# Allegro board FEE5_10_30.brd (continued)
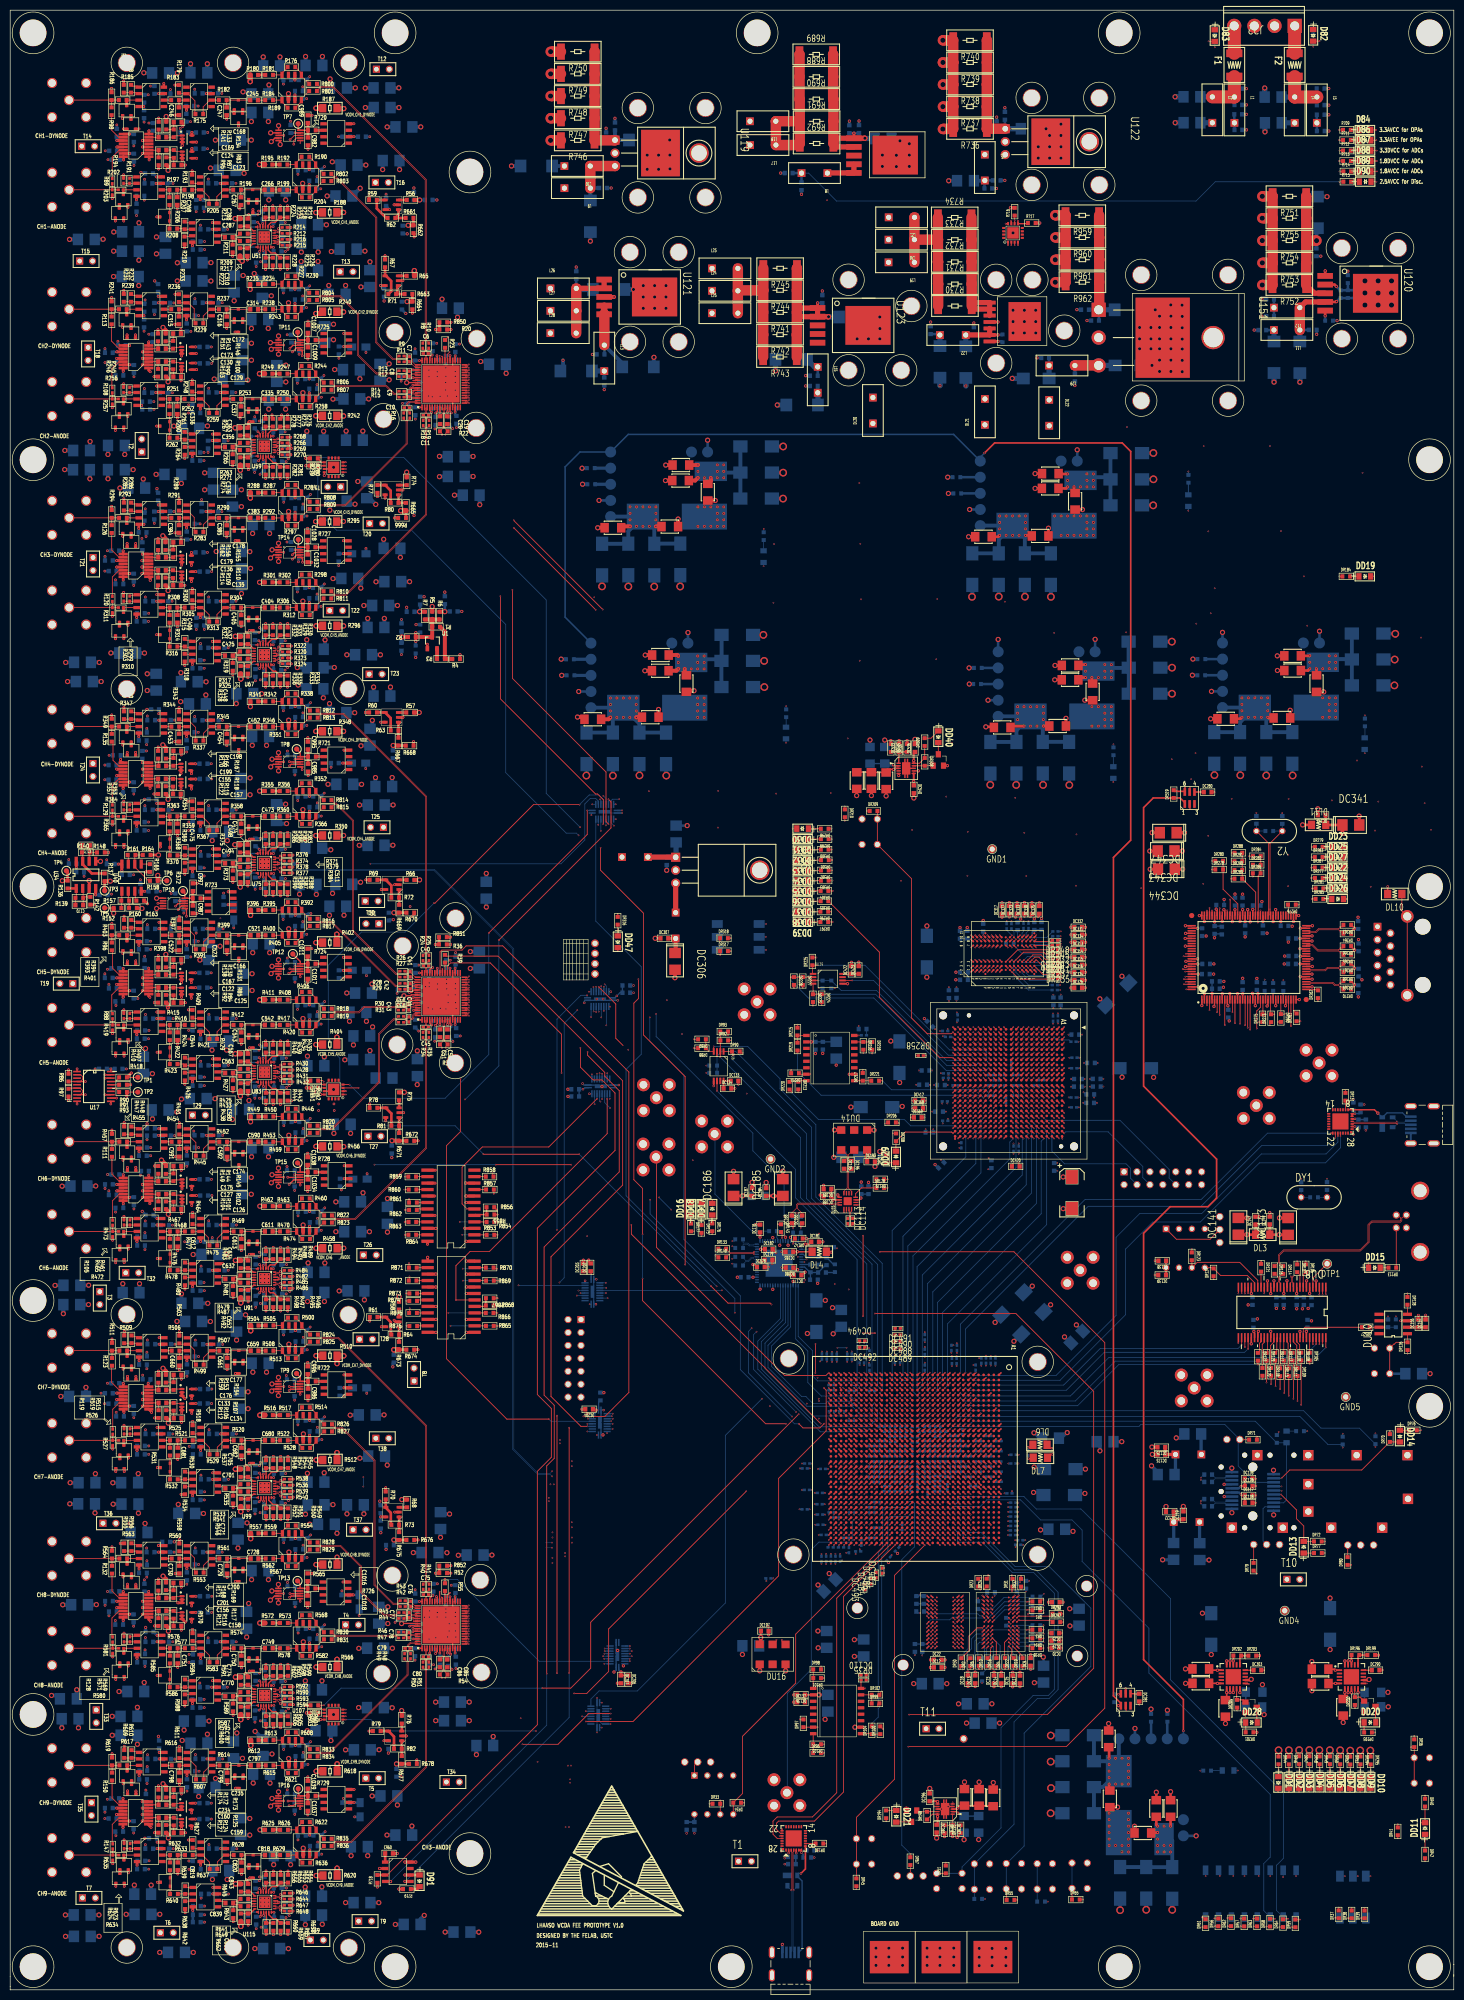
[diagram p0: board, top side]
## Nets (continued)
N2426133: DU4.T33(IO_L21P_T3_DQS_15)
N2426139: DU4.R33(IO_L21N_T3_DQS_A18_15)
N2426145: DU4.N34(IO_L22P_T3_A17_15)
N2426151: DU4.M34(IO_L22N_T3_A16_15)
N2426157: DU4.U34(IO_L23P_T3_FOE_B_15)
N2426814: DR216.1 DR218.1 DU38.15(DQ0)
N2426884: DR217.1 DR221.1 DU38.9(DQ2_VPP_WP_B)
N2426918: DR215.1 DR219.2 DU38.1(DQ3_HOLD_B)
N2426948: DR213.1 DR220.2 DU38.8(DQ1)
N2427808: DC308.1 DR212.1
N2429788: DU37.U16(IO_L4P_2 _U16)
N2429792: DU37.V15(IO_L4N_VREF_2 _V15)
N2429796: DU37.W17(IO_L5P_2 _W17)
N2429800: DU37.Y18(IO_L5N_2 _Y18)
N2429804: DU37.AA14(IO_L6P_2 _AA14)
N2429816: DU37.V17(IO_L2P_CMPCLK_2 _V17)
N2429820: DU37.W18(IO_L2N_CMPMOSI_2 _W18)
N2429824: DU37.AB19(IO_L13N_D10_2 _AB19)
N2429828: DU37.AA18(IO_L14P_D11_2 _AA18)
N2429832: DU37.AB18(IO_L14N_D12_2 _AB18)
N2429836: DU37.Y17(IO_L15P_2 _Y17)
N2429840: DU37.AB17(IO_L15N_2 _AB17)
N2429844: DU37.U14(IO_L16P_2 _U14)
N2429848: DU37.U13(IO_L16N_VREF_2 _U13)
N2429852: DU37.Y16(IO_L17P_2 _Y16)
N2429856: DU37.W15(IO_L17N_2 _W15)
N2429860: DU37.V13(IO_L18P_2 _V13)
N2429864: DU37.W13(IO_L18N_2 _W13)
N2429868: DU37.AA16(IO_L19P_2 _AA16)
N2429872: DU37.AB16(IO_L19N_2 _AB16)
N2429876: DU37.W14(IO_L20P_2 _W14)
N2429880: DU37.Y14(IO_L20N_2 _Y14)
N2429884: DU37.Y15(IO_L21P_2 _Y15)
N2429888: DU37.AB15(IO_L21N_2 _AB15)
N2429892: DU37.R11(IO_L22P_2 _R11)
N2429896: DU37.T11(IO_L22N_2 _T11)
N2429900: DU37.T15(IO_L23P_2 _T15)
N2429904: DU37.U15(IO_L23N_2 _U15)
N2429908: DU37.T12(IO_L29P_GCLK3_2 _T12)
N2429912: DU37.U12(IO_L29N_GCLK2_2 _U12)
N2429916: DU37.Y13(IO_L30P_GCLK1_D13_2 _Y13)
N2429920: DU37.AB13(IO_L30N_GCLK0_USERCCLK_2 _AB13)
N2429932: DU37.Y11(IO_L32P_GCLK29_2 _Y11)
N2429936: DU37.AB11(IO_L32N_GCLK28_2 _AB11)
N2429940: DU37.W12(IO_L40P_2 _W12)
N2429944: DU37.Y12(IO_L40N_2 _Y12)
N2429948: DU37.AA10(IO_L41P_2 _AA10)
N2429952: DU37.AB10(IO_L41N_VREF_2 _AB10)
N2429956: DU37.V11(IO_L42P_2 _V11)
N2429960: DU37.W11(IO_L42N_2 _W11)
N2429964: DU37.Y9(IO_L43P_2 _Y9)
N2429972: DU37.W10(IO_L44P_2 _W10)
N2429976: DU37.Y10(IO_L44N_2 _Y10)
N2429980: DU37.AA8(IO_L45P_2 _AA8)
N2429984: DU37.AB8(IO_L45N_2 _AB8)
N2429988: DU37.T10(IO_L46P_2 _T10)
N2429992: DU37.U10(IO_L46N_2 _U10)
N2429996: DU37.Y7(IO_L47P_2 _Y7)
N2430004: DU37.W9(IO_L48P_D7_2 _W9)
N2430012: DU37.AA6(IO_L49P_D3_2 _AA6)
N2430016: DU37.AB6(IO_L49N_D4_2 _AB6)
N2430020: DU37.U9(IO_L50P_2 _U9)
N2430024: DU37.V9(IO_L50N_2 _V9)
N2430052: DU37.W6(IO_L60P_2 _W6)
N2430084: DU37.D3(IO_L1N_VREF_0 _D3)
N2430092: DU37.D5(IO_L2N_0 _D5)
N2430100: DU37.B2(IO_L3P_0 _B2)
N2430176: DU37.H10(IO_L33P_0 _H10)
N2430184: DU37.D4(IO_L2P_0 _D4)
N2430188: DU37.E5(IO_L4P_0 _E5)
N2430236: DU37.B18(IO_L63P_SCP7_0 _B18)
N2430240: DU37.A18(IO_L63N_SCP6_0 _A18)
N2430244: DU37.F17(IO_L51N_0 _F17)
N2430248: DU37.D18(IO_L62P_0 _D18)
N2430252: DU37.B20(IO_L65P_SCP3_0 _B20)
N2430256: DU37.F16(IO_L37N_GCLK12_0 _F16)
N2430270: DU37.C18(IO_L66N_SCP0_0 _C18)
N2432091: DU4.AC24(IO_L22P_T3_13)
N2432097: DU4.AD24(IO_L22N_T3_13)
N2432295: DU4.AD25(IO_L24P_T3_13)
N2432301: DU4.AE25(IO_L24N_T3_13)
N2432507: DU4.AK2(IO_L2P_T0_32)
N2432525: DU4.AK1(IO_L2N_T0_32)
N2432583: DU4.AG26(IO_L19P_T3_13)
N2432589: DU4.AH26(IO_L19N_T3_VREF_13)
N2432651: DU4.AP11(IO_L20P_T3_32)
N2432657: DU4.AP10(IO_L20N_T3_32)
N2432747: DU4.AP29(IO_L15P_T2_DQS_12)
N2432753: DU4.AP30(IO_L15N_T2_DQS_12)
N2432807: DU4.AJ25(IO_L19P_T3_12)
N2432813: DU4.AK25(IO_L19N_T3_VREF_12)
N2432819: DU4.AJ26(IO_L20P_T3_12)
N2432820: DU37.F18(IO_L1P_A25_1 _F18)
N2432824: DU37.R15(IO_L70P_1 _R15)
N2432825: DU4.AK26(IO_L20N_T3_12)
N2432828: DU37.H16(IO_L9P_1 _H16)
N2432832: DU37.H17(IO_L9N_1 _H17)
N2432836: DU37.B21(IO_L10P_1 _B21)
N2432840: DU37.B22(IO_L10N_1 _B22)
N2432844: DU37.J16(IO_L19P_1 _J16)
N2432848: DU37.J17(IO_L19N_1 _J17)
N2432852: DU37.C20(IO_L20P_1 _C20)
N2432856: DU37.N15(IO_L58N_1 _N15)
N2432860: DU37.L15(IO_L21P_1 _L15)
N2432867: DU4.AL25(IO_L23P_T3_12)
N2432873: DU4.AP25(IO_L24P_T3_12)
N2432879: DU4.AM25(IO_L23N_T3_12)
N2432885: DU4.AP26(IO_L24N_T3_12)
N2432903: DU4.AD33(IO_L2P_T0_13)
N2432908: DU37.J19(IO_L33P_A15_M1A10_1 _J19)
N2432915: DU4.AD34(IO_L2N_T0_13)
N2432964: DU37.M16(IO_L58P_1 _M16)
N2432968: DU37.M19(IO_L40N_GCLK10_M1A6_1 _M19)
N2432975: DU4.AE32(IO_L6P_T0_13)
N2432976: DU37.K22(IO_L41N_GCLK8_M1CASN_1 _K22)
N2432981: DU4.AF32(IO_L6N_T0_VREF_13)
N2432984: DU37.M17(IO_L61P_1 _M17)
N2433011: DU4.AD28(IO_L9P_T1_DQS_13)
N2433017: DU4.AD29(IO_L9N_T1_DQS_13)
N2433023: DU4.AJ8(IO_L15P_T2_DQS_32)
N2433029: DU4.AK8(IO_L15N_T2_DQS_32)
N2433039: DU4.AP6(IO_L9P_T1_DQS_32)
N2433045: DU4.AP5(IO_L9N_T1_DQS_32)
N2433051: DU4.AN6(IO_L17N_T2_32)
N2433057: DU4.AN7(IO_L17P_T2_32)
N2433131: DU4.AM7(IO_L14P_T2_SRCC_32)
N2433136: DU37.N16(IO_L60P_1 _N16)
N2433137: DU4.AM6(IO_L14N_T2_SRCC_32)
N2433140: DU37.R16(IO_L70N_1 _R16)
N2433143: DU4.AN8(IO_L16P_T2_32)
N2433144: DU37.P16(IO_L60N_1 _P16)
N2433149: DU4.AP8(IO_L16N_T2_32)
N2433160: DU37.Y3(IO_L2N_3 _Y3)
N2433164: DU37.T6(IO_L7P_3 _T6)
N2433168: DU37.T5(IO_L7N_3 _T5)
N2433172: DU37.V5(IO_L8P_3 _V5)
N2433176: DU37.V3(IO_L8N_3 _V3)
N2433180: DU37.P5(IO_L9P_3 _P5)
N2433184: DU37.P4(IO_L9N_3 _P4)
N2433188: DU37.AA2(IO_L10P_3 _AA2)
N2433192: DU37.AA1(IO_L10N_3 _AA1)
N2433196: DU37.N6(IO_L23P_3 _N6)
N2433200: DU37.N7(IO_L23N_3 _N7)
N2433204: DU37.U4(IO_L24P_3 _U4)
N2433208: DU37.T4(IO_L24N_3 _T4)
N2433212: DU37.P6(IO_L25P_3 _P6)
N2433216: DU37.P7(IO_L25N_3 _P7)
N2433220: DU37.T3(IO_L26P_3 _T3)
N2433224: DU37.R4(IO_L26N_3 _R4)
N2433228: DU37.M7(IO_L31P_3 _M7)
N2433231: DU4.AJ33(IO_L2P_T0_12)
N2433237: DU4.AJ34(IO_L2N_T0_12)
N2433267: DU4.AL32(IO_L6P_T0_12)
N2433273: DU4.AM32(IO_L6N_T0_VREF_12)
N2433444: DU37.K7(IO_L57P_3 _K7)
N2433464: DU37.H4(IO_L58P_3 _H4)
N2433468: DU37.G4(IO_L58N_3 _G4)
N2433472: DU37.D2(IO_L59P_3 _D2)
N2433476: DU37.D1(IO_L59N_3 _D1)
N2433480: DU37.F3(IO_L60P_3 _F3)
N2433484: DU37.E4(IO_L60N_3 _E4)
N2433488: DU37.H6(IO_L80P_3 _H6)
N2433492: DU37.G7(IO_L80N_3 _G7)
N2433496: DU37.J7(IO_L81P_3 _J7)
N2433500: DU37.H8(IO_L81N_3 _H8)
N2433504: DU37.F5(IO_L82P_3 _F5)
N2433508: DU37.G6(IO_L82N_3 _G6)
N2433512: DU37.C1(IO_L83P_3 _C1)
N6359511: R857.2 U148.9(Y8)
N6359513: R862.1 U148.19(Y3)
N6359515: R859.1 U148.14(Y6)
N6359516: R860.1 U148.16(Y5)
N6359518: R863.1 U148.21(Y2)
N6359520: R861.1 U148.18(Y4)
N6484111: R869.2 U149.9(Y8)
N6484113: R874.1 U149.19(Y3)
N6484115: R871.1 U149.14(Y6)
N6484116: R872.1 U149.16(Y5)
N6484118: R875.1 U149.21(Y2)
N6484120: R873.1 U149.18(Y4)
N16758117: DJ1.2 DU3.1(A0)
N16760540: F1.1 J22.4
N16760576: C884.1 C885.1 C886.1 F1.2 L1.1 L2.1
N16760798: C896.2 C897.1 C898.1 F2.2 L4.1 L5.1
N16760952: F2.1 J22.1
N16764196: C922.2 C923.2 R751.2 R752.2 R753.2 R754.2 R755.2 U120.3(VIN) U120.6(TAB_VIN)
N16764206: C918.1 C919.1 L9.1 L10.1 U119.3(OUT)
N16764338: R693.1 U120.5(REF)
N16764482: C928.1 R694.1 R695.2 R696.2 U120.2(FB)
N16764728: C915.1 C916.1 C917.1 R746.2 R747.2 R748.2 R749.2 R750.2 U119.1(IN)
N16765885: C933.1 C934.1 L13.1 U121.4(OUT) U121.5(SENSE/ADJ)
N16765895: C943.1 C945.1 L15.1 U123.4(OUT) U123.5(SENSE/ADJ)
N16765899: C941.1 C942.1 R741.2 R742.2 R743.2 R744.2 R745.2 U123.1(/SHDN) U123.2(IN)
N16766097: C929.1 C930.1 L26.2 L27.2 L28.2 U121.1(/SHDN) U121.2(IN)
N16768473: DR31.1 DU2.H8(ZQ0)
N16768477: DR32.1 DU2.H9(ZQ1)
N16769341: D84.1(ANODE) R709.2
N16769479: D86.1(ANODE) R711.2
N16769575: D87.1(ANODE) R712.2
N16769617: D88.1(ANODE) R713.2
N16769671: D89.1(ANODE) R714.2
N16769749: D91.2(CATHODE) R719.1
N16770835: DR23.1 DU1.H8(ZQ0)
N16770839: DR24.1 DU1.H9(ZQ1)
N16771131: DJ5.1 DR79.2
N16771135: DJ6.1 DR80.2
N16774635: DC304.2 DC305.1 DL8.2 DU36.1(IN)
N16775431: DC335.2 DR263.1 DR264.1
N16775439: DC336.2 DR265.1 DR266.1
N16775467: DC338.2 DR269.1 DR270.1
N16775679: DR276.2 DU41.68(TRST_B)
N16775783: DL10.2 DU42.SH1(11) DU42.SH2(12)
N16777303: R1.2 R3.2 R4.2
N16777309: R3.1 U1.3(TRIM/NC)
N16777396: R21.2 U2.54(RBIAS)
N16777417: R23.2 U2.39(SDIO/ODM)
N16777432: C19.1 U2.10(CLK+)
N16777434: C20.1 U2.9(CLK-)
N16778175: DU4.V32(IO_L7N_T1_D10_14)
N16778178: DU4.W33(IO_L8P_T1_D11_14)
N16778181: DU4.W34(IO_L8N_T1_D12_14)
N16778187: DU4.V34(IO_L9N_T1_DQS_D13_14)
N16778196: DU4.AA32(IO_L16P_T2_CSI_B_14)
N16778268: DU4.AA30(IO_L13P_T2_MRCC_14)
N16778283: DU4.AB32(IO_L14N_T2_SRCC_14)
N16778289: DU4.AB30(IO_L13N_T2_MRCC_14)
N16778292: DU4.AC32(IO_L17N_T2_A13_D29_14)
N16778340: C171.1 R140.1 R148.2 U34.6(2IN-)
N16778595: C157.1 R115.1 R118.1
N16778636: C124.1 R83.2 U15.1(A)
N16778731: C158.1 R116.1 R117.1
N16778761: C122.2 R85.2 U16.1(A)
N16778842: C134.1 R106.1 R107.1
N16778916: C155.2 R118.2 U27.1(A)
N16778918: C123.1 R83.1 R87.1
N16778923: C127.2 R102.2 U19.1(A)
N16778935: C130.2 R100.2 U20.1(A)
N16779002: C126.1 R101.1 R102.1
N16779125: C136.2 R110.2 U24.1(A)
N16779129: C125.1 R84.1 R85.1
N16779131: DC337.2 DR267.1 DR268.1
N16779163: C133.2 R107.2 U21.1(A)
N16779293: C129.1 R99.1 R100.1
N16779333: C156.2 R117.2 U25.1(A)
N16779396: C135.1 R109.2 R110.1
N16779434: R90.2 U17.17(2A4)
N16779446: R93.1 U17.15(2A3)
N16779556: DJ3.2 DR67.2
N16779576: C159.1 R124.1 R125.1
N16779635: C160.2 R125.2 U29.1(A)
N16779679: C170.1 R139.1 R142.2 U34.2(1IN-)
N16779689: C170.2 R136.2 R139.2 U34.1(1OUT)
N16779718: C171.2 R137.1 R140.2 U34.7(2OUT)
N16780919: DR68.2 DU4.G22(MGTRREF_216)
N16780975: DU4.C20(MGTPRXN1_216)
N16780978: DU4.D20(MGTPRXP1_216)
N16780981: DU4.D22(MGTPTXP1_216)
N16780984: DU4.C22(MGTPTXN1_216)
N16781514: R39.2 U3.39(SDIO/ODM)
N16781518: C50.1 U3.10(CLK+)
N16781522: C51.1 U3.9(CLK-)
N16781533: R37.2 U3.54(RBIAS)
N16785569: DU46.4(1A1)
N16785592: DU46.6(1A2)
N16785595: DU46.8(1A3)
N16785598: DU46.2(1A0)
N16785601: DU46.18(1Y0)
N16785604: DU46.14(1Y2)
N16785607: DU46.12(1Y3)
N16785622: DU46.16(1Y1)
N16788823: R725.2 U139.6(VOUT)
N16789449: R727.2 U145.6(VOUT)
N16789480: R56.2 U5.3(+IN)
N16789485: R59.2 R62.1 U5.4(-IN)
N16789749: R724.2 U140.6(VOUT)
N16789928: R728.2 U146.6(VOUT)
N16789987: DU4.H2(IO_L20P_T3_36)
N16790107: R721.2 U133.6(VOUT)
N16790403: DU4.L3(IO_L19N_T3_VREF_36)
N16790415: DU4.L4(IO_L19P_T3_36)
N16790442: DU4.L8(IO_L9P_T1_DQS_36)
N16790530: DU4.M2(IO_L23P_T3_36)
N16790533: DU4.L2(IO_L23N_T3_36)
N16790536: DU4.K3(IO_L24P_T3_36)
N16790539: DU4.K2(IO_L24N_T3_36)
N16790542: DU4.L7(IO_25_36)
N16790726: R726.2 U141.6(VOUT)
N16790900: R729.2 U147.6(VOUT)
N16791074: R722.2 U135.6(VOUT)
N16792904: R723.2 U134.6(VOUT)
N16792934: U131.2(VOUTB)
N16792952: U131.4(VOUTC)
N16794749: DU4.R11(IO_0_35)
N16794750: DU4.M7(IO_L1P_T0_AD4P_35)
N16794753: DU4.N9(IO_L2P_T0_AD12P_35)
N16794754: DU4.M9(IO_L2N_T0_AD12N_35)
N16794759: DU4.M11(IO_L4P_T0_35)
N16794760: DU4.M10(IO_L4N_T0_35)
N16794761: DU4.P9(IO_L5P_T0_AD13P_35)
N16794814: DU4.R8(IO_L19P_T3_35)
N16794821: DU4.U10(IO_L21P_T3_DQS_35)
N16794822: DU4.T10(IO_L21N_T3_DQS_35)
N16794827: DU4.T8(IO_L23P_T3_35)
N16794836: DU4.Y11(IO_0_34)
N16794837: DU4.W10(IO_L1P_T0_34)
N16794838: DU4.Y10(IO_L1N_T0_34)
N16794839: DU4.V9(IO_L2P_T0_34)
N16794840: DU4.V8(IO_L2N_T0_34)
N16794841: DU4.W9(IO_L3P_T0_DQS_34)
N16794848: DU4.Y8(IO_L5P_T0_34)
N16794879: DU4.AA5(IO_L13P_T2_MRCC_34)
N16794894: DU4.AC2(IO_L17P_T2_34)
N16794897: DU4.AC4(IO_L18P_T2_34)
N16794898: DU4.AC3(IO_L18N_T2_34)
N16794899: DU4.AA8(IO_L19P_T3_34)
N16794902: DU4.AC7(IO_L20P_T3_34)
N16794903: DU4.AC6(IO_L20N_T3_34)
N16794904: DU4.AB7(IO_L21P_T3_DQS_34)
N16794907: DU4.AC9(IO_L22P_T3_34)
N16794908: DU4.AC8(IO_L22N_T3_34)
N16794909: DU4.AA10(IO_L23P_T3_34)
N16794910: DU4.AA9(IO_L23N_T3_34)
N16794911: DU4.AB10(IO_L24P_T3_34)
N16794912: DU4.AB9(IO_L24N_T3_34)
N16794913: DU4.AB11(IO_25_34)
N16799914: DU4.AG5(IO_L11N_T1_SRCC_33)
N16799919: DU4.AD6(IO_L13P_T2_MRCC_33)
N16799920: DU4.AE6(IO_L13N_T2_MRCC_33)
N16801299: R91.1 U17.16(1Y2)
N16801305: U17.14(1Y3)
N16826582: C931.1 C932.1 C939.1 R736.2 R737.2 R738.2 R739.2 R740.2 U122.1(IN)
N16826687: C198.1 R166.1 R167.1
N16826691: C169.1 R134.2 U32.1(A)
N16826763: C200.1 R168.1 R169.1
N16826784: C167.2 R131.2 U33.1(A)
N16826834: C177.1 R153.1 R154.1
N16826887: C175.2 R145.2 U35.1(A)
N16826892: C168.1 R133.1 R134.1
N16826894: C199.2 R167.2 U41.1(A)
N16826907: C173.2 R146.2 U37.1(A)
N16826944: C174.1 R144.1 R145.1
N16827035: C166.1 R130.1 R131.1
N16827045: C179.2 R155.2 U38.1(A)
N16827057: C176.2 R154.2 U39.1(A)
N16827154: C172.1 R143.1 R146.1
N16827197: C201.2 R169.2 U42.1(A)
N16827234: C178.1 R155.1 R156.2
N16827294: C235.1 R172.1 R173.1
N16827354: C234.2 R173.2 U43.1(A)
N16828877: R157.1 R160.2 U40.2(1IN-)
N16828952: R158.1 R161.2 R164.1 U40.6(2IN-)
N16828966: R163.2 U40.3(1IN+)
N16829592: R152.2 R157.2 U40.1(1OUT)
N16829965: R161.1 U40.7(2OUT)
N16830994: D83.1(ANODE) R708.2
N16831091: D82.1(ANODE) R707.2
N16831429: DU21.17(2A3)
N16831545: DU21.3(2Y3)
N16834624: DU20.13(2A1)
N16834627: DU20.7(2Y1)
N16839571: R89.1 U18.14(OUTR)
N16839823: R98.1 U18.10(OUTB)
N16839947: R108.1 U22.14(OUTR)
N16839967: R113.1 U22.10(OUTB)
N16840429: R120.1 U28.14(OUTR)
N16840458: R126.1 U28.10(OUTB)
N16840933: R129.1 U30.14(OUTR)
N16840975: R135.1 U30.10(OUTB)
N16841466: R88.1 U14.14(OUTR)
N16841495: R96.1 U14.10(OUTB)
N16841997: R105.1 U23.14(OUTR)
N16842036: R111.1 U23.10(OUTB)
N16842540: R119.1 U26.14(OUTR)
N16842587: R123.1 U26.10(OUTB)
N16842890: DD11.1(CATHODE) DR42.1
N16843101: R128.1 U31.14(OUTR)
N16843150: R132.1 U31.10(OUTB)
N16843173: DC533.1 DR306.2 DR307.1 DU43.1(REFIN)
N16843250: DR308.2 DU43.9(PGOOD) Q5.1(GATE)
N16843676: R147.1 U36.14(OUTR)
N16843725: R150.1 U36.10(OUTB)
N16847176: DC110.1 DR35.1
N16848017: C245.1 C247.1 D2.3 R182.2
N16849443: R175.2 R182.1 U45.6(VOUT)
N16855233: C912.1 C913.2 C914.2 R688.1 R689.1 R690.1 R691.1 R692.1 U118.1(\S\H\D\N\) U118.2(IN)
N16855277: L17.1 L18.1 R688.2 R689.2 R690.2 R691.2 R692.2
N16855328: L8.1 U118.4(OUT) U118.5(SENSE)
N16858141: C266.1 C267.1 D6.3 R196.2
N16865652: R55.2 U4.39(SDIO/ODM)
N16865656: C85.1 U4.10(CLK+)
N16865660: C86.1 U4.9(CLK-)
N16865671: R53.2 U4.54(RBIAS)
N16866400: L19.1 L20.1 L21.1 R730.2 R731.2 R732.2 R733.2 R734.2
N16866421: R730.1 R731.1 R732.1 R733.1 R734.1 U150.1(EN) U150.2(VIN1) U150.3(VIN2)
N16866776: C1051.1 C1052.1 L22.1 R735.2 U150.5(VOUT1) U150.6(VOUT2)
N16866778: C1050.2 C1051.2 C1052.2 C1053.2
N16867091: R735.1 U150.7(ADJ)
N16867555: R67.2 R71.1 U8.4(-IN)
N16867560: R65.2 U8.3(+IN)
N16867578: L23.2 L24.2 L25.2 R741.1 R742.1 R743.1 R744.1 R745.1
N16867691: R74.2 U11.3(+IN)
N16867696: R77.2 R80.1 U11.4(-IN)
N16867852: R60.2 R63.1 U6.4(-IN)
N16867857: R57.2 U6.3(+IN)
N16867918: R66.2 U9.3(+IN)
N16867923: R69.2 R72.1 U9.4(-IN)
N16867976: R75.2 U12.3(+IN)
N16867995: R78.2 R81.1 U12.4(-IN)
N16868255: R61.2 R64.1 U7.4(-IN)
N16868275: R58.2 U7.3(+IN)
N16868314: R68.2 U10.3(+IN)
N16868333: R70.2 R73.1 U10.4(-IN)
N16868382: R76.2 U13.3(+IN)
N16868399: R79.2 R82.1 U13.4(-IN)
N16872661: C1100.1 C1101.1 C1102.1 R959.2 R960.2 R961.2 R962.2 U151.1(INPUT)
N16872790: C1103.1 C1104.1 L29.1 U151.3(OUTPUT)
N16875042: D90.1(ANODE) R715.2
N16954461: DU37.H11(IO_L33N_0 _H11)
N16962011: DD34.1(ANODE) DR302.2
N16962019: DD35.1(ANODE) DR303.2
N16962048: DD36.1(ANODE) DR304.2
N16962050: DD33.1(ANODE) DR301.2
N16962063: DD30.1(ANODE) DR298.2
N16962084: DD37.1(ANODE) DR305.2
N16962129: DD31.1(ANODE) DR299.2
N16962142: DD32.1(ANODE) DR300.2
N16962322: DD38.1(ANODE) DR296.2
N16962439: DD39.1(ANODE) DR297.2
N16976727: DSW13.3
N17029607: DU4.AK30(IO_L11N_T1_SRCC_12)
N17029715: DU4.AK31(IO_L9N_T1_DQS_12)
N17029769: DU4.AJ30(IO_L9P_T1_DQS_12)
N17139717: DD5.1(ANODE) DR49.2
N17139733: DD6.1(ANODE) DR50.2
N17139762: DD7.1(ANODE) DR52.2
N17139764: DD4.1(ANODE) DR48.2
N17139777: DD1.1(ANODE) DR44.2
N17139806: DD8.1(ANODE) DR53.2
N17139843: DD2.1(ANODE) DR46.2
N17139856: DD3.1(ANODE) DR47.2
N17140193: DD9.1(ANODE) DR294.2
N17140255: DD10.1(ANODE) DR295.2
N17140326: DU4.N33(IO_L20N_T3_A19_15)
N17146483: D1.3 R185.2 U44.3(+IN)
N17146496: D1.2 D3.3
N17147935: R178.2 U44.1(FB)
N17147938: R177.2 R178.1 U44.2(-IN)
N17151298: D2.1 D4.2
N17151300: D2.2 D4.1
N17153539: D5.1 D8.3
N17160641: C287.2 R209.2 R211.2 R217.2
N17173981: R180.2 R181.1
N17175337: R192.1 R195.2
N17225264: DU4.AM10(IO_L24N_T3_32)
N17225381: DU4.AL10(IO_L24P_T3_32)
N17226110: DU4.AP33(IO_L5N_T0_12)
N17226113: DU4.AN33(IO_L5P_T0_12)
N17232608: DU4.AG27(IO_L17P_T2_13)
N17232611: DU4.AH27(IO_L17N_T2_13)
N17253178: DU4.AC26(IO_L16P_T2_13)
N17253188: DU4.AC27(IO_L16N_T2_13)
N17253252: DU4.AG31(IO_L10P_T1_13)
N17253255: DU4.AH31(IO_L10N_T1_13)
N17253282: DU4.AD30(IO_L8P_T1_13)
N17253285: DU4.AE30(IO_L8N_T1_13)
N17443555: R175.1 R179.2 U45.2(-IN)
N17445526: C245.2 R184.1
N17448776: R198.2 R205.1 U48.3(+IN)
N17449344: R196.1 R205.2 U48.6(VOUT)
N17451007: D6.2 D7.1
N17451009: D6.1 D7.2
N17451447: C266.2 R199.1
N17454391: C287.1 U50.6(OUTPUT)
N17456793: R209.1 U51.8(INA+)
N17464439: C288.2 R213.1 U51.7(INA-)
N17472046: C310.2 R222.1 U51.12(INB-)
N17472279: R217.1 U51.11(INB+)
N17495335: D18.1 D18.2 R261.2 R262.1
N17495381: R251.1 R261.1 U55.6(OUTPUT)
N17495387: R252.2 R259.1 U57.3(+IN)
N17495398: D11.2 D13.1
N17495400: D11.1 D13.2
N17495459: R264.1 U58.3(+IN)
N17495461: R260.1 U58.1(FB)
N17495463: R260.2 R262.2 U58.2(-IN)
N17495495: R253.1 R259.2 U57.6(VOUT)
N17495509: C314.1 C316.1 D11.3 R237.2
N17495843: D15.2 D17.1
N17495854: C335.1 C337.1 D15.3 R253.2
N17495859: D15.1 D17.2
N17495865: R245.1 R246.2 U55.2(-IN)
N17495867: C336.1 R251.2 R252.1
N17495869: R244.2 R806.1 U56.5(-OUT)
N17495871: R230.1 R234.2 U54.8(+IN)
N17495877: C315.1 R236.2 U53.3(+IN)
N17495938: D14.3 R256.2 U55.3(+IN)
N17495940: D14.1 D16.3
N17495956: C335.2 R250.1
N17496004: R244.1 R247.2 U56.8(+IN)
N17496350: R238.2 R243.1 U54.1(-IN)
N17496361: R230.2 R804.1 U54.5(-OUT)
N17496364: R243.2 R805.1 U54.4(+OUT)
N17496367: C356.1 U58.6(OUTPUT)
N17496808: R229.2 R237.1 U53.6(VOUT)
N17496810: R229.1 R233.2 U53.2(-IN)
N17496822: C356.2 R263.2 R265.2 R271.2
N17496860: D10.3 R239.2 U52.3(+IN)
N17496866: D10.2 D12.3
N17496883: R236.1 U52.6(OUTPUT)
N17497020: R250.2 R258.1 U56.1(-IN)
N17497024: R258.2 R807.1 U56.4(+OUT)
N17497075: C314.2 R238.1
N17497141: R232.2 U52.1(FB)
N17497146: R231.2 R232.1 U52.2(-IN)
N17497188: R234.1 R235.2
N17497557: R247.1 R249.2
N17497594: R245.2 U55.1(FB)
N17500974: D27.1 D27.2 R315.2 R316.1
N17501020: R308.1 R315.1 U64.6(OUTPUT)
N17501026: R305.2 R313.1 U65.3(+IN)
N17501028: D20.2 D22.1
N17501030: D20.1 D22.2
N17501098: R318.1 U66.3(+IN)
N17501100: R314.1 U66.1(FB)
N17501102: R314.2 R316.2 U66.2(-IN)
N17501134: R304.1 R313.2 U65.6(VOUT)
N17501140: C383.1 C385.1 D20.3 R290.2
N17501482: D24.2 D25.1
N17501484: C404.1 C405.1 D24.3 R304.2
N17501498: D24.1 D25.2
N17501504: R299.1 R303.2 U64.2(-IN)
N17501506: C406.1 R305.1 R308.2
N17501508: R298.2 R810.1 U63.5(-OUT)
N17501510: R284.1 R287.2 U62.8(+IN)
N17501516: C384.1 R291.2 U61.3(+IN)
N17501577: D23.3 R310.2 U64.3(+IN)
N17501579: D23.1 D26.3
N17501595: C404.2 R306.1
N17501643: R298.1 R302.2 U63.8(+IN)
N17501981: R292.2 R297.1 U62.1(-IN)
N17502000: C425.1 U66.6(OUTPUT)
N17502035: R284.2 R808.1 U62.5(-OUT)
N17502071: R297.2 R809.1 U62.4(+OUT)
N17502439: R283.2 R290.1 U61.6(VOUT)
N17502441: R283.1 R289.2 U61.2(-IN)
N17502461: C425.2 R317.2 R319.2 R325.2
N17502491: D19.3 R293.2 U60.3(+IN)
N17502505: D19.2 D21.3
N17502522: R291.1 U60.6(OUTPUT)
N17502651: R306.2 R312.1 U63.1(-IN)
N17502663: R312.2 R811.1 U63.4(+OUT)
N17502711: C383.2 R292.1
N17502772: R286.2 U60.1(FB)
N17502777: R285.2 R286.1 U60.2(-IN)
N17502819: R287.1 R288.2
N17503196: R301.2 R302.1
N17503229: R299.2 U64.1(FB)
N17506508: D36.1 D36.2 R369.2 R370.1
N17506530: R363.1 R369.1 U72.6(OUTPUT)
N17506560: R359.2 R367.1 U73.3(+IN)
N17506562: D29.2 D31.1
N17506564: D29.1 D31.2
N17506624: R372.1 U74.3(+IN)
N17506626: R368.1 U74.1(FB)
N17506628: R368.2 R370.2 U74.2(-IN)
N17506660: R358.1 R367.2 U73.6(VOUT)
N17506674: C452.1 C454.1 D29.3 R345.2
N17507008: D33.2 D34.1
N17507010: C473.1 C474.1 D33.3 R358.2
N17507023: D33.1 D34.2
N17507038: R353.1 R357.2 U72.2(-IN)
N17507040: C475.1 R359.1 R363.2
N17507042: R352.2 R814.1 U71.5(-OUT)
N17507044: R338.1 R342.2 U70.8(+IN)
N17507050: C453.1 R344.2 U69.3(+IN)
N17507103: D32.3 R364.2 U72.3(+IN)
N17507105: D32.1 D35.3
N17507121: C473.2 R360.1
N17507169: R352.1 R356.2 U71.8(+IN)
N17507507: R346.2 R351.1 U70.1(-IN)
N17507520: R338.2 R812.1 U70.5(-OUT)
N17507523: R351.2 R813.1 U70.4(+OUT)
N17507534: C494.1 U74.6(OUTPUT)
N17507965: R337.2 R345.1 U69.6(VOUT)
N17507967: R337.1 R343.2 U69.2(-IN)
N17507987: C494.2 R371.2 R373.2 R379.2
N17508016: D28.3 R347.2 U68.3(+IN)
N17508031: D28.2 D30.3
N17508048: R344.1 U68.6(OUTPUT)
N17508185: R360.2 R366.1 U71.1(-IN)
N17508189: R366.2 R815.1 U71.4(+OUT)
N17508236: C452.2 R346.1
N17508298: R340.2 U68.1(FB)
N17508303: R339.2 R340.1 U68.2(-IN)
N17508353: R341.2 R342.1
N17508722: R355.2 R356.1
N17508755: R353.2 U72.1(FB)
N17511999: D45.1 D45.2 R423.1 R424.2
N17512021: R415.1 R424.1 U79.6(OUTPUT)
N17512051: R416.2 R421.1 U80.3(+IN)
N17512053: D38.2 D40.1
N17512055: D38.1 D40.2
N17512115: R426.1 U82.3(+IN)
N17512117: R422.1 U82.1(FB)
N17512119: R422.2 R423.2 U82.2(-IN)
N17512151: R412.1 R421.2 U80.6(VOUT)
N17512165: C521.1 C523.1 D38.3 R399.2
N17512499: D42.2 D43.1
N17512501: C542.1 C543.1 D42.3 R412.2
N17512506: D42.1 D43.2
N17512520: R407.1 R410.2 U79.2(-IN)
N17512531: C544.1 R415.2 R416.1
N17512533: R406.2 R818.1 U81.5(-OUT)
N17512535: R392.1 R395.2 U78.8(+IN)
N17512541: C522.1 R398.2 U77.3(+IN)
N17512585: D41.3 R418.2 U79.3(+IN)
N17512596: D41.1 D44.3
N17512612: C542.2 R417.1
N17512660: R406.1 R408.2 U81.8(+IN)
N17512998: R400.2 R405.1 U78.1(-IN)
N17513011: R392.2 R816.1 U78.5(-OUT)
N17513014: R405.2 R817.1 U78.4(+OUT)
N17513017: C563.1 U82.6(OUTPUT)
N17513448: R391.2 R399.1 U77.6(VOUT)
N17513450: R391.1 R397.2 U77.2(-IN)
N17513478: C563.2 R425.2 R427.2 R433.2
N17513507: D37.3 R401.2 U76.3(+IN)
N17513513: D37.2 D39.3
N17513539: R398.1 U76.6(OUTPUT)
N17513676: R417.2 R420.1 U81.1(-IN)
N17513680: R420.2 R819.1 U81.4(+OUT)
N17513719: C521.2 R400.1
N17513781: R394.2 U76.1(FB)
N17513786: R393.2 R394.1 U76.2(-IN)
N17513844: R395.1 R396.2
N17514213: R408.1 R411.2
N17514246: R407.2 U79.1(FB)
N17517566: C590.1 C592.1 D47.3 R452.2
N17517587: C612.1 R467.2 R468.1
N17517605: C611.1 C613.1 D51.3 R469.2
N17517621: C591.1 R454.2 U85.3(+IN)
N17517738: R445.2 R452.1 U85.6(VOUT)
N17517740: R445.1 R451.2 U85.2(-IN)
N17517760: C632.2 R479.2 R481.2 R487.2
N17517797: D46.3 R455.2 U84.3(+IN)
N17517803: D46.2 D48.3
N17517805: R446.1 R450.2 U86.8(+IN)
N17517829: R454.1 U84.6(OUTPUT)
N17517861: D50.3 R472.2 U87.3(+IN)
N17517917: R460.2 R822.1 U89.5(-OUT)
N17517939: R460.1 R463.2 U89.8(+IN)
N17517958: R470.2 R474.1 U89.1(-IN)
N17517970: R474.2 R823.1 U89.4(+OUT)
N17518009: C590.2 R453.1
N17518063: R448.2 U84.1(FB)
N17518068: R447.2 R448.1 U84.2(-IN)
N17518126: R449.2 R450.1
N17518503: R462.2 R463.1
N17518522: R461.1 R465.2 U87.2(-IN)
N17518528: R461.2 U87.1(FB)
N17518552: R480.1 U90.3(+IN)
N17518562: R467.1 R477.1 U87.6(OUTPUT)
N17518567: D54.1 D54.2 R477.2 R478.1
N17518648: R468.2 R475.1 U88.3(+IN)
N17518650: D47.2 D49.1
N17518652: D47.1 D49.2
N17518714: R476.1 U90.1(FB)
N17518716: R476.2 R478.2 U90.2(-IN)
N17518748: R469.1 R475.2 U88.6(VOUT)
N17519096: D51.2 D53.1
N17519103: D51.1 D53.2
N17519184: D50.1 D52.3
N17519201: C611.2 R470.1
N17519587: R453.2 R459.1 U86.1(-IN)
N17519608: R446.2 R820.1 U86.5(-OUT)
N17519611: R459.2 R821.1 U86.4(+OUT)
N17519614: C632.1 U90.6(OUTPUT)
N17523030: C659.1 C661.1 D56.3 R507.2
N17523073: C681.1 R521.1 R525.2
N17523083: C680.1 C682.1 D60.3 R520.2
N17523093: C660.1 R506.2 U93.3(+IN)
N17523200: R499.2 R507.1 U93.6(VOUT)
N17523202: R499.1 R503.2 U93.2(-IN)
N17523246: C701.2 R533.2 R535.2 R541.2
N17523283: D55.3 R509.2 U92.3(+IN)
N17523289: D55.2 D57.3
N17523291: R500.1 R505.2 U94.8(+IN)
N17523307: R506.1 U92.6(OUTPUT)
N17523338: D59.3 R526.2 U95.3(+IN)
N17523395: R514.2 R826.1 U97.5(-OUT)
N17523422: R514.1 R517.2 U97.8(+IN)
N17523444: R522.2 R528.1 U97.1(-IN)
N17523456: R528.2 R827.1 U97.4(+OUT)
N17523495: C659.2 R508.1
N17523538: R502.2 U92.1(FB)
N17523554: R501.2 R502.1 U92.2(-IN)
N17523596: R504.2 R505.1
N17523981: R516.2 R517.1
N17524000: R515.1 R519.2 U95.2(-IN)
N17524014: R515.2 U95.1(FB)
N17524038: R534.1 U98.3(+IN)
N17524048: R525.1 R531.1 U95.6(OUTPUT)
N17524053: D63.1 D63.2 R531.2 R532.1
N17524134: R521.2 R529.1 U96.3(+IN)
N17524136: D56.2 D58.1
N17524138: D56.1 D58.2
N17524192: R530.1 U98.1(FB)
N17524194: R530.2 R532.2 U98.2(-IN)
N17524234: R520.1 R529.2 U96.6(VOUT)
N17524574: D60.2 D61.1
N17524581: D60.1 D61.2
N17524670: D59.1 D62.3
N17524687: C680.2 R522.1
N17525073: R508.2 R513.1 U94.1(-IN)
N17525086: R500.2 R824.1 U94.5(-OUT)
N17525089: R513.2 R825.1 U94.4(+OUT)
N17525092: C701.1 U98.6(OUTPUT)
N17528527: C728.1 C729.1 D65.3 R561.2
N17528570: C751.1 R576.2 R577.1
N17528572: C749.1 C750.1 D69.3 R574.2
N17528582: C730.1 R560.2 U102.3(+IN)
N17528697: R553.2 R561.1 U102.6(VOUT)
N17528699: R553.1 R558.2 U102.2(-IN)
N17528735: C770.2 R587.2 R589.2 R595.2
N17528780: D64.3 R563.2 U100.3(+IN)
N17528786: D64.2 D66.3
N17528788: R554.1 R559.2 U101.8(+IN)
N17528795: R560.1 U100.6(OUTPUT)
N17528827: D68.3 R580.2 U103.3(+IN)
N17528892: R568.2 R830.1 U105.5(-OUT)
N17528919: R568.1 R573.2 U105.8(+IN)
N17528941: R578.2 R582.1 U105.1(-IN)
N17528953: R582.2 R831.1 U105.4(+OUT)
N17528992: C728.2 R562.1
N17529035: R556.2 U100.1(FB)
N17529051: R555.2 R556.1 U100.2(-IN)
N17529077: R557.2 R559.1
N17529467: R572.2 R573.1
N17529497: R569.1 R571.2 U103.2(-IN)
N17529503: R569.2 U103.1(FB)
N17529535: R588.1 U106.3(+IN)
N17529545: R576.1 R585.1 U103.6(OUTPUT)
N17529550: D72.1 D72.2 R585.2 R586.1
N17529631: R577.2 R583.1 U104.3(+IN)
N17529633: D65.2 D67.1
N17529635: D65.1 D67.2
N17529689: R584.1 U106.1(FB)
N17529691: R584.2 R586.2 U106.2(-IN)
N17529731: R574.1 R583.2 U104.6(VOUT)
N17530054: D69.2 D70.1
N17530078: D69.1 D70.2
N17530159: D68.1 D71.3
N17530175: C749.2 R578.1
N17530570: R562.2 R567.1 U101.1(-IN)
N17530575: R554.2 R828.1 U101.5(-OUT)
N17530586: R567.2 R829.1 U101.4(+OUT)
N17530589: C770.1 U106.6(OUTPUT)
N17533994: C797.1 C799.1 D74.3 R614.2
N17534026: C819.1 R632.2 R633.1
N17534028: C818.1 C820.1 D78.3 R628.2
N17534049: C798.1 R616.2 U108.3(+IN)
N17534164: R607.2 R614.1 U108.6(VOUT)
N17534166: R607.1 R611.2 U108.2(-IN)
N17534186: C839.2 R641.2 R643.2 R649.2
N17534247: D73.3 R617.2 U109.3(+IN)
N17534261: D73.2 D75.3
N17534263: R608.1 R613.2 U110.8(+IN)
N17534270: R616.1 U109.6(OUTPUT)
N17534294: D77.3 R634.2 U113.3(+IN)
N17534359: R622.2 R835.1 U112.5(-OUT)
N17534394: R622.1 R626.2 U112.8(+IN)
N17534413: R629.2 R636.1 U112.1(-IN)
N17534420: R636.2 R836.1 U112.4(+OUT)
N17534467: C797.2 R615.1
N17534501: R610.2 U109.1(FB)
N17534515: R609.2 R610.1 U109.2(-IN)
N17534544: R612.2 R613.1
N17534934: R625.2 R626.1
N17534964: R623.1 R624.2 U113.2(-IN)
N17534970: R623.2 U113.1(FB)
N17535002: R642.1 U114.3(+IN)
N17535012: R632.1 R639.1 U113.6(OUTPUT)
N17535017: D81.1 D81.2 R639.2 R640.1
N17535082: R633.2 R637.1 U111.3(+IN)
N17535108: D74.2 D76.1
N17535110: D74.1 D76.2
N17535150: R638.1 U114.1(FB)
N17535152: R638.2 R640.2 U114.2(-IN)
N17535206: R628.1 R637.2 U111.6(VOUT)
N17535521: D78.2 D79.1
N17535544: D78.1 D79.2
N17535626: D77.1 D80.3
N17535642: C818.2 R629.1
N17536037: R615.2 R621.1 U110.1(-IN)
N17536042: R608.2 R833.1 U110.5(-OUT)
N17536053: R621.2 R834.1 U110.4(+OUT)
N17536056: C839.1 U114.6(OUTPUT)
N17590737: DR188.1 DU28.8(VOADJ)
N17591111: DD19.1(CATHODE) DR184.2
N17592110: DD46.1(CATHODE) DR315.2
N17592497: DR183.1 DU26.8(VOADJ)
N17593470: DR182.1 DU25.8(VOADJ)
N17595870: DD45.1(CATHODE) DR314.2
N17596153: DC281.1 DU32.4(CT)
N17598777: DR192.1 DU30.8(VOADJ)
N17601070: DD44.1(CATHODE) DR313.2
N17605790: DD43.1(CATHODE) DR312.2
N17606177: DR191.1 DU29.8(VOADJ)
N17607950: DD42.1(CATHODE) DR311.2
N17610310: DD41.1(CATHODE) DR310.2
N17618838: R220.1 U51.6(RHYA)
N17618841: R220.2 U51.9(RHRA)
N17618859: R221.1 U51.13(RHYB)
N17618865: R221.2 U51.10(RHRB)
N17620894: R263.1 U59.8(INA+)
N17620932: R271.1 U59.11(INB+)
N17620934: C376.2 R274.1 U59.12(INB-)
N17620946: R272.1 U59.6(RHYA)
N17620948: R272.2 U59.9(RHRA)
N17620960: R273.1 U59.13(RHYB)
N17620972: R273.2 U59.10(RHRB)
N17620995: C363.2 R267.1 U59.7(INA-)
N17631071: R317.1 U67.8(INA+)
N17631140: R325.1 U67.11(INB+)
N17631142: C448.2 R328.1 U67.12(INB-)
N17631154: R326.1 U67.6(RHYA)
N17631156: R326.2 U67.9(RHRA)
N17631168: R327.1 U67.13(RHYB)
N17631172: R327.2 U67.10(RHRB)
N17631203: C432.2 R321.1 U67.7(INA-)
N17632559: R371.1 U75.8(INA+)
N17632628: R379.1 U75.11(INB+)
N17632630: C511.2 R384.1 U75.12(INB-)
N17632642: R380.1 U75.6(RHYA)
N17632644: R380.2 U75.9(RHRA)
N17632656: R381.1 U75.13(RHYB)
N17632660: R381.2 U75.10(RHRB)
N17632691: C498.2 R375.1 U75.7(INA-)
N17634016: R425.1 U83.8(INA+)
N17634085: R433.1 U83.11(INB+)
N17634087: C580.2 R438.1 U83.12(INB-)
N17634099: R436.1 U83.6(RHYA)
N17634101: R436.2 U83.9(RHRA)
N17634113: R437.1 U83.13(RHYB)
N17634117: R437.2 U83.10(RHRB)
N17634148: C567.2 R429.1 U83.7(INA-)
N17635469: R479.1 U91.8(INA+)
N17635538: R487.1 U91.11(INB+)
N17635540: C652.2 R492.1 U91.12(INB-)
N17635552: R490.1 U91.6(RHYA)
N17635554: R490.2 U91.9(RHRA)
N17635566: R491.1 U91.13(RHYB)
N17635570: R491.2 U91.10(RHRB)
N17635601: C634.2 R483.1 U91.7(INA-)
N17636917: R533.1 U99.8(INA+)
N17636986: R541.1 U99.11(INB+)
N17636988: C721.2 R546.1 U99.12(INB-)
N17637000: R542.1 U99.6(RHYA)
N17637002: R542.2 U99.9(RHRA)
N17637006: R543.1 U99.13(RHYB)
N17637018: R543.2 U99.10(RHRB)
N17637049: C705.2 R537.1 U99.7(INA-)
N17638408: R587.1 U107.8(INA+)
N17638477: R595.1 U107.11(INB+)
N17638479: C787.2 R600.1 U107.12(INB-)
N17638491: R596.1 U107.6(RHYA)
N17638493: R596.2 U107.9(RHRA)
N17638497: R597.1 U107.13(RHYB)
N17638501: R597.2 U107.10(RHRB)
N17638540: C774.2 R591.1 U107.7(INA-)
N17639907: R641.1 U115.8(INA+)
N17639976: R649.1 U115.11(INB+)
N17639978: C856.2 R652.1 U115.12(INB-)
N17639990: R650.1 U115.6(RHYA)
N17639992: R650.2 U115.9(RHRA)
N17639996: R651.1 U115.13(RHYB)
N17640000: R651.2 U115.10(RHRB)
N17640031: C843.2 R645.1 U115.7(INA-)
N167726550: DD14.1(ANODE) DR76.1
N167728190: DD13.1(ANODE) DR77.1
N167729630: DD12.1(ANODE) DR78.1
N167755410: DD20.2(ANODE) Q1.3(DRAIN)
N167757790: DD20.1(CATHODE) DR193.2
N167758190: DD28.1(CATHODE) DR201.2
N167758191: DD28.2(ANODE) Q3.3(DRAIN)
N167758790: DD21.1(CATHODE) DR194.2
N167758791: DD21.2(ANODE) Q2.3(DRAIN)
N167759190: DD47.1(CATHODE) DR316.2
N167761370: DD40.2(ANODE) Q5.3(DRAIN)
N167761832: DL9.1 DU36.3(OUT)
N167763871: DD40.1(CATHODE) DR309.2
N167773160: DD26.1(ANODE) DR285.2
N167773320: DD22.1(ANODE) DR277.2
N167773820: DD25.1(ANODE) DR283.2
N167775470: DD23.1(ANODE) DR279.2
N167775580: DD27.1(ANODE) DR287.2
N167776560: DD24.1(ANODE) DR281.2
N168211214: R165.2 U40.5(2IN+)
N168266292: L14.1 U122.3(OUT)
N174487351: R193.2 U48.2(-IN)
N174953661: R248.2 U57.2(-IN)
N175010081: R300.2 U65.2(-IN)
N175065491: R354.2 U73.2(-IN)
N175120421: R409.2 U80.2(-IN)
N175186391: R464.2 U88.2(-IN)
N175241251: R518.2 U96.2(-IN)
N175296221: R570.2 U104.2(-IN)
N175350991: R627.2 U111.2(-IN)

Pads without a net: DJ2 12 14; DJ10 4; DJ11 4; DJ14 12 14; DU1 A3 A7; DU2 A3 A7; DU4 A2 A3 A4 A5 A6 A7 A8 A9 A10 A13 A15 A17 A19 A21 A25 A27 A28 A29 A30 A31 A32 A33 A34 AD23 AF24 AG14 AG16 AG18 AG20 AH14 AH16 AH18 AH20 AJ9 AJ24 AL8 AL14 AL22 AL24 AM14 AM22 AN13 AN15 AN17 AN19 AN21 AN23 AP13 AP15 AP17 AP19 AP21 AP23 B1 B2 B3 B4 B5 B6 B7 B9 B10 B11 B13 B15 B17 B19 B21 B25 B26 B27 B28 B29 B30 B31 B32 B34 C1 C2 C3 C4 C6 C7 C8 C9 C10 C11 C14 C25 C26 C27 C28 C29 C31 C32 C33 C34 D1 D3 D4 D5 D6 D7 D8 D9 D10 D11 D14 D24 D25 D26 D28 D29 D30 D31 D32 D33 D34 E1 E2 E3 E4 E5 E6 E7 E8 E10 E11 E25 E26 E27 E28 E29 E30 E31 E32 E33 F4 F5 F7 F8 F9 F10 F11 F24 F25 F26 F27 F28 F29 F30 F32 F33 F34 G14 G16 H14 H16 L23 L30 M26 P33 P34 T24 U24; DU6 7; DU7 3 4 5 6 11 12 13 14; DU10 5 6 8; DU11 1 10 11 12 13 14 15 16 17 18 19 20 21 26 27 28; DU12 1 10 11 12 13 14 15 16 17 18 19 20 21 26 27 28; DU14 2; DU15 10 11; DU16 2; DU17 9 11; DU21 7 13; DU24 9 11; DU25 11; DU26 11; DU27 11; DU28 11; DU29 11; DU30 11; DU31 3; DU32 3; DU33 2 3 4 13 14 17; DU35 2 3 4 13 14 17; DU37 A6 A8 A14 A16 B6 B8 B14 B16 W4; DU38 3 4 5 6 11 12 13 14; DU39 7; DU40 J1 J9 L1 L9 M7; DU41 31 50 53 54 67 69 70 72 77 105 107 109 110 112 113; T1 2; T2 2; T3 2; T4 2; T5 2; T6 2; T7 2; T8 2; T9 2; T10 2; T11 2; T12 2; T13 2; T14 2; T15 2; T16 2; T17 2; T18 2; T19 2; T20 2; T21 2; T22 2; T23 2; T24 2; T25 2; T26 2; T27 2; T28 2; T29 2; T30 2; T31 2; T32 2; T33 2; T34 2; T35 2; T36 2; T37 2; T38 2; T39 2; U2 5 6 15 16 33 34 43 44; U3 5 6 15 16 33 34 43 44; U4 5 6 15 16 33 34 43 44; U14 5 12; U17 3 5 7 9; U18 5 12; U22 5 12; U23 5 12; U26 5 12; U28 5 12; U30 5 12; U31 5 12; U36 5 12; U44 5; U45 1 5 8; U46 7; U47 5; U48 1 5 8; U49 7; U50 5; U52 5; U53 1 5 8; U54 7; U55 5; U56 7; U57 1 5 8; U58 5; U60 5; U61 1 5 8; U62 7; U63 7; U64 5; U65 1 5 8; U66 5; U68 5; U69 1 5 8; U70 7; U71 7; U72 5; U73 1 5 8; U74 5; U76 5; U77 1 5 8; U78 7; U79 5; U80 1 5 8; U81 7; U82 5; U84 5; U85 1 5 8; U86 7; U87 5; U88 1 5 8; U89 7; U90 5; U92 5; U93 1 5 8; U94 7; U95 5; U96 1 5 8; U97 7; U98 5; U100 5; U101 7; U102 1 5 8; U103 5; U104 1 5 8; U105 7; U106 5; U108 1 5 8; U109 5; U110 7; U111 1 5 8; U112 7; U113 5; U114 5; U125 5 6 7 8 13 14 15 16; U126 7; U127 3; U132 1 3 5 7 8; U133 1 3 5 7 8; U134 1 3 5 7 8; U135 1 3 5 7 8; U139 1 3 5 7 8; U140 1 3 5 7 8; U141 1 3 5 7 8; U145 1 3 5 7 8; U146 1 3 5 7 8; U147 1 3 5 7 8; U152 5 6 7 8 13 14 15 16; U153 5 6 7 8 13 14 15 16; U154 5 6 7 8 13 14 15 16